# Altium PCB HardwareControllerPCB.PcbDoc (part 1 of 2)
Units mm, origin at the board's own origin, x right, y up, seen from the top; angles counter-clockwise.
Board outline 123.75 x 111.85 mm, 4 copper layers (Top Layer, Layer 1, Layer 2, Bottom Layer), stack 1.491 mm thick; 128 components, 110 nets, 624 pads, 241 vias.
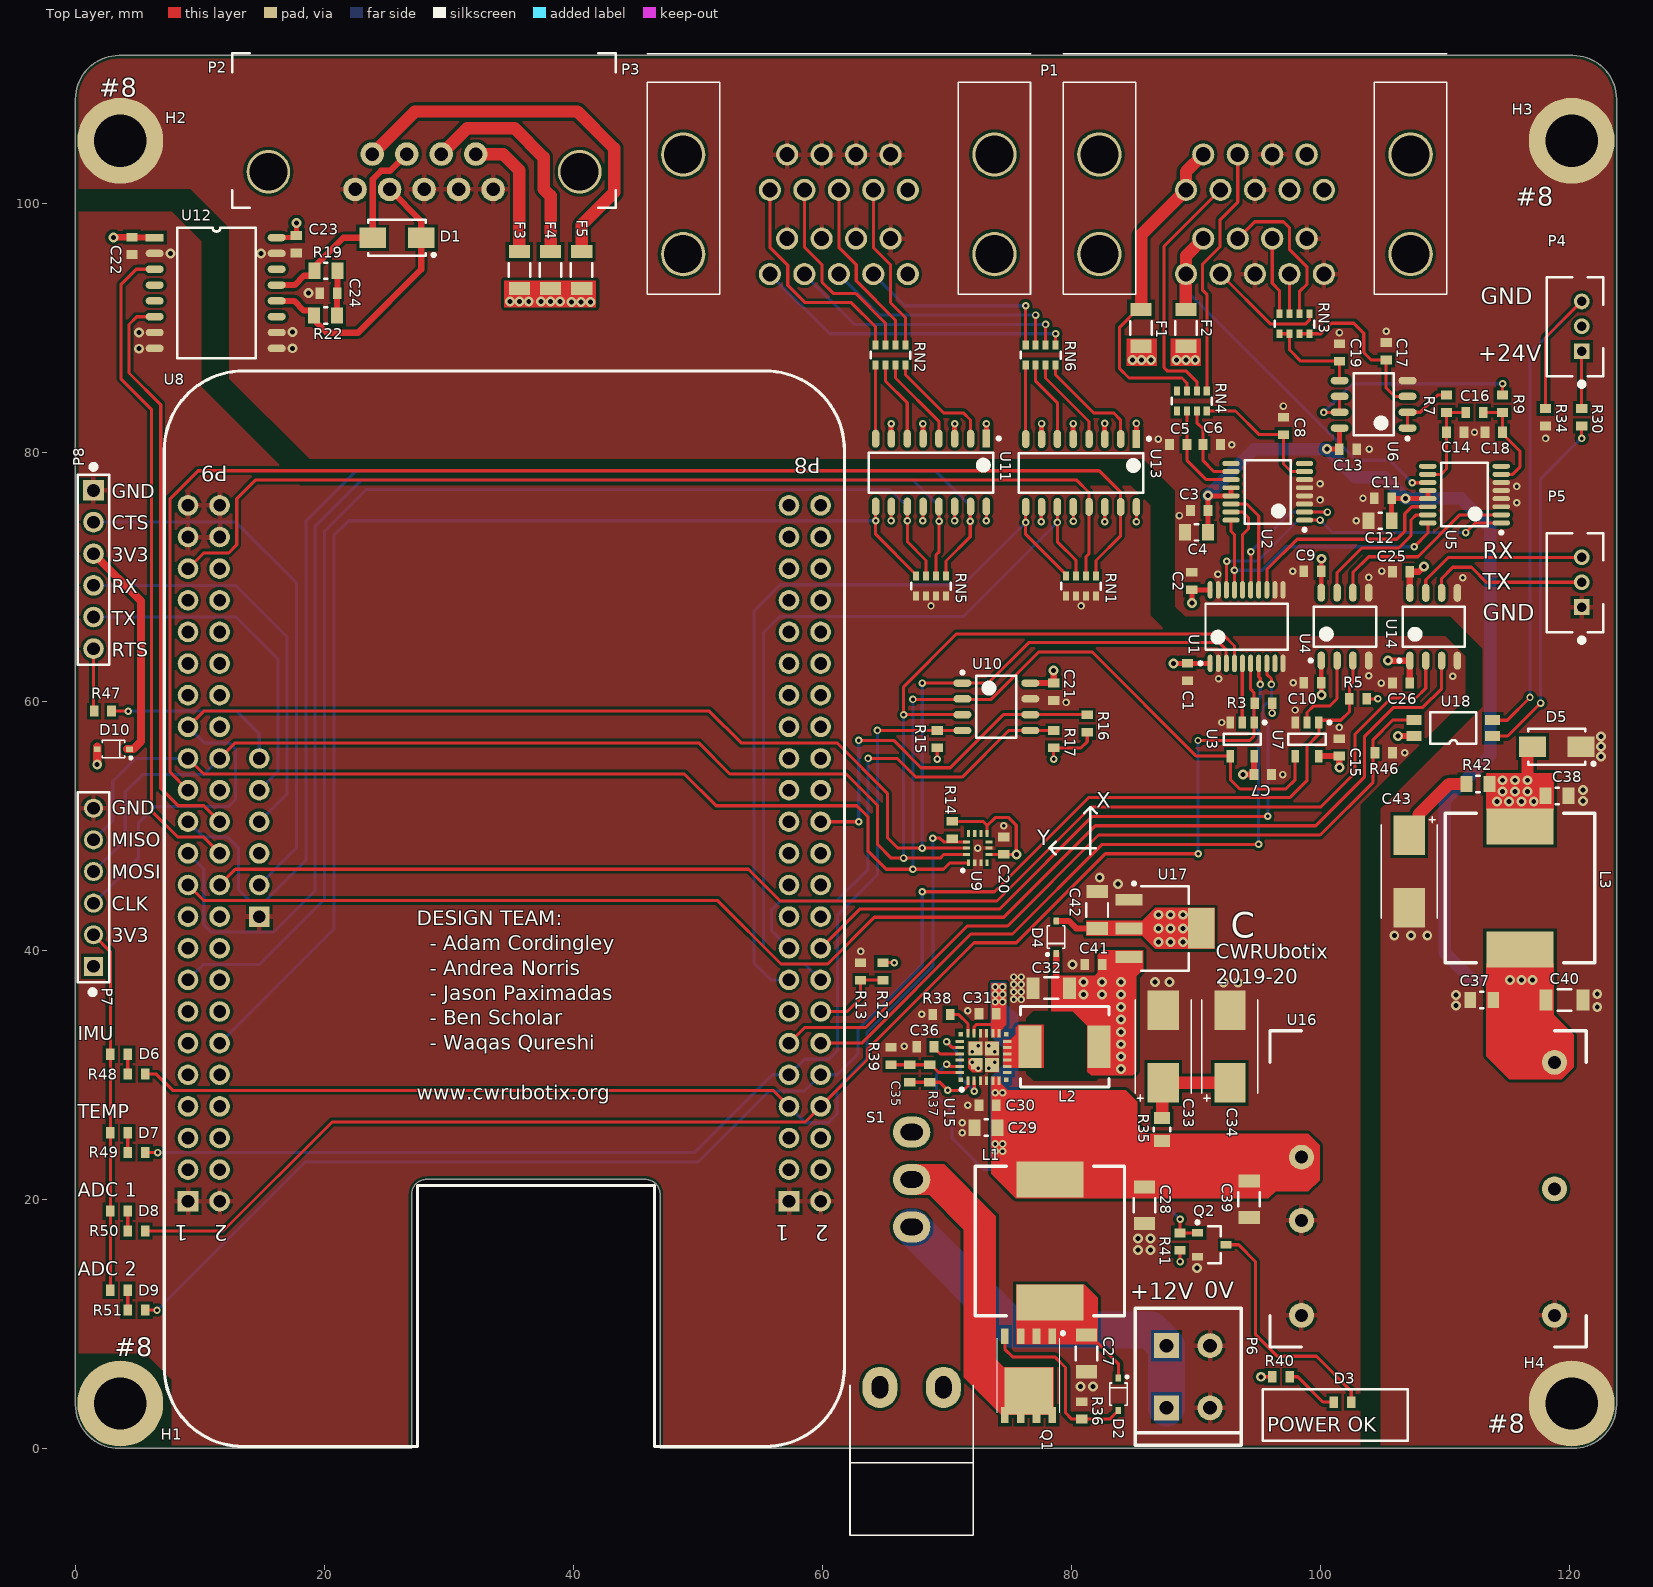
[diagram p0: Top Layer view]
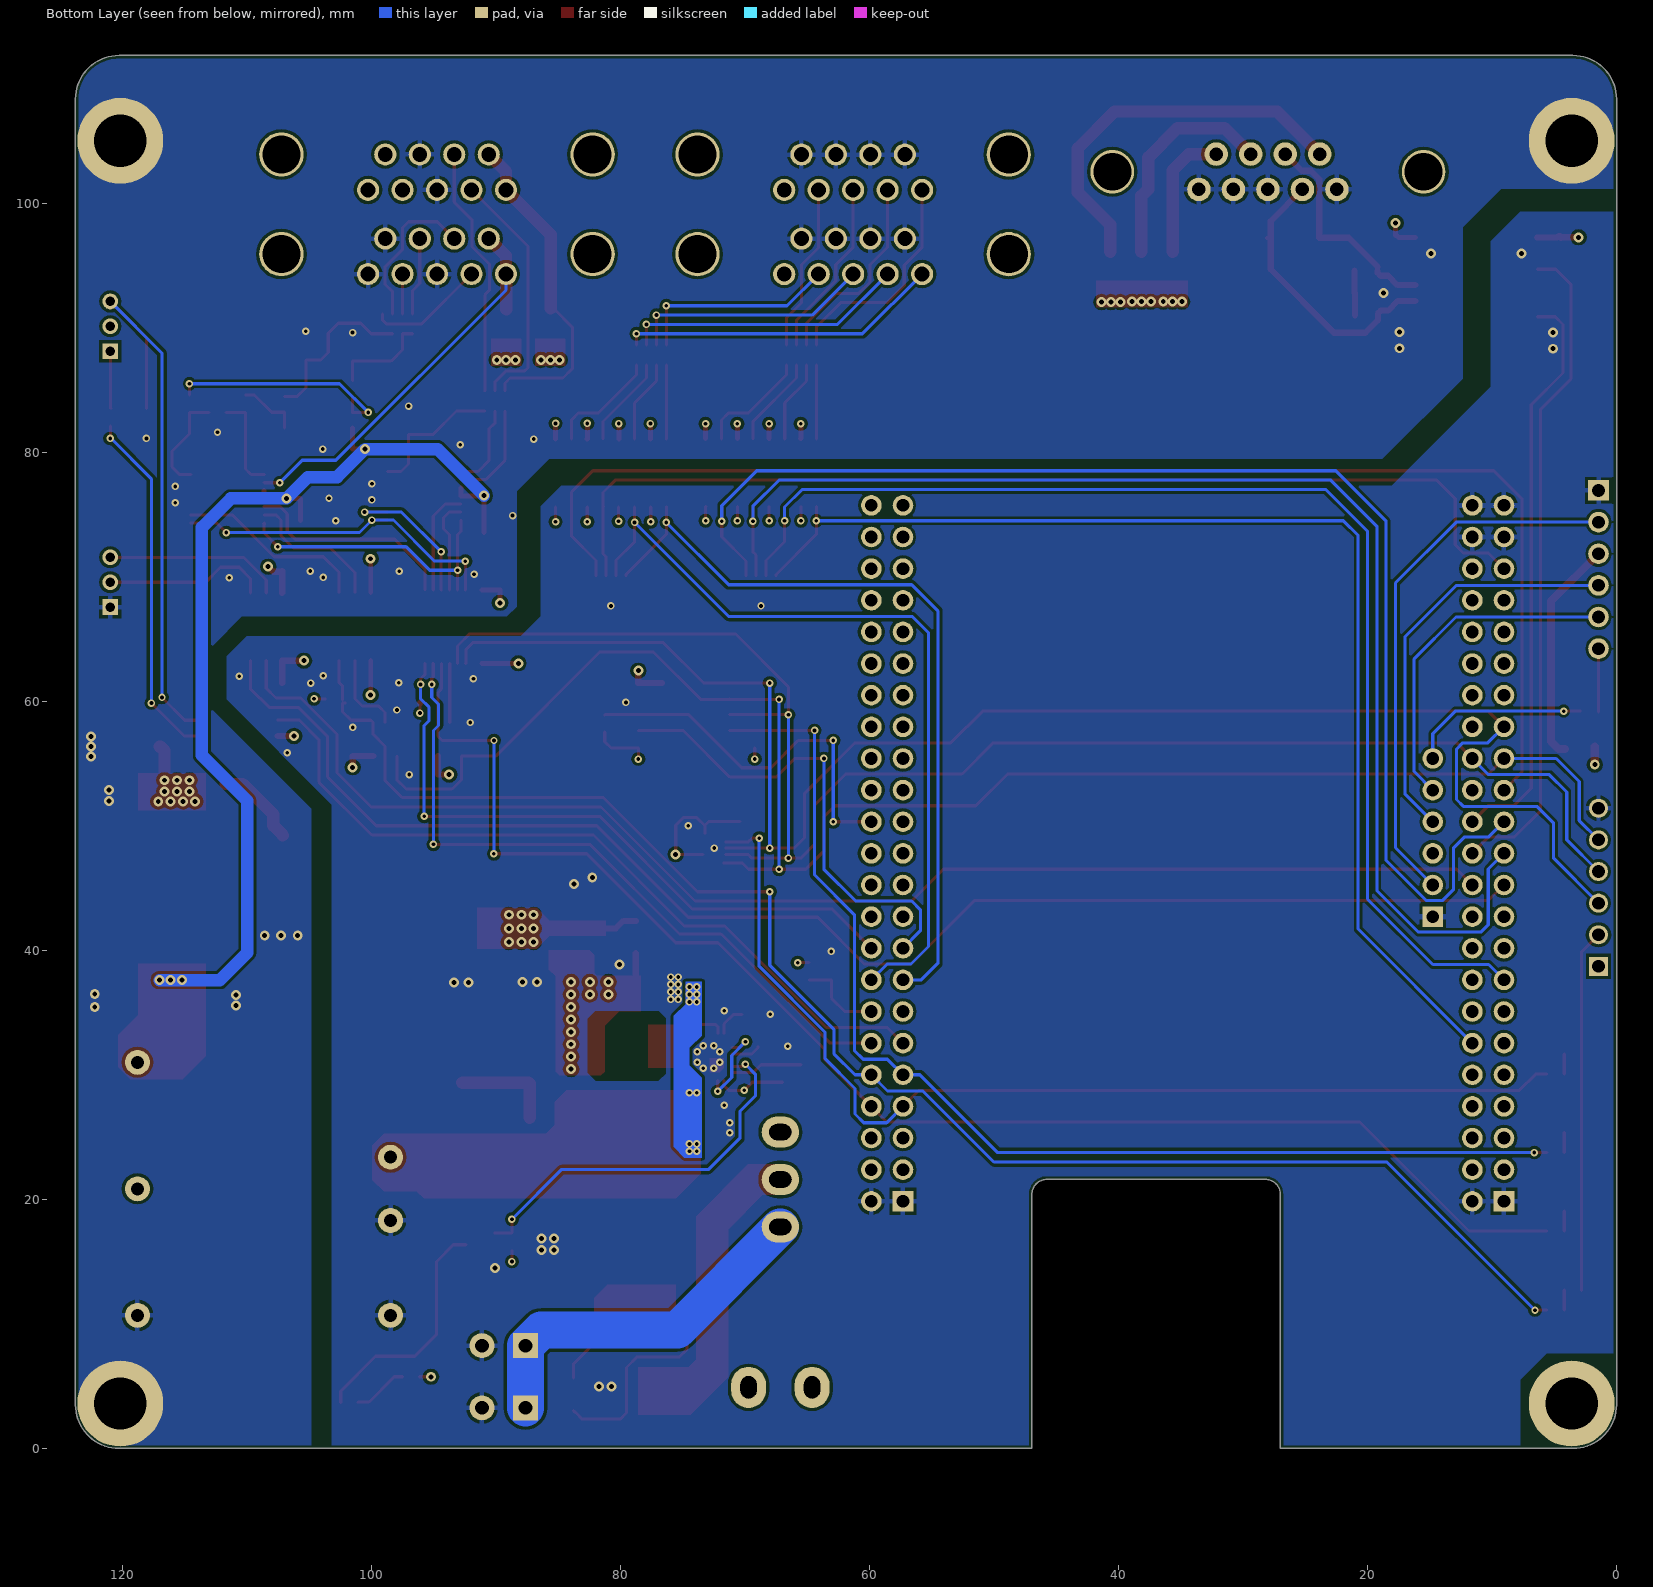
[diagram p1: Bottom Layer view, seen from below]
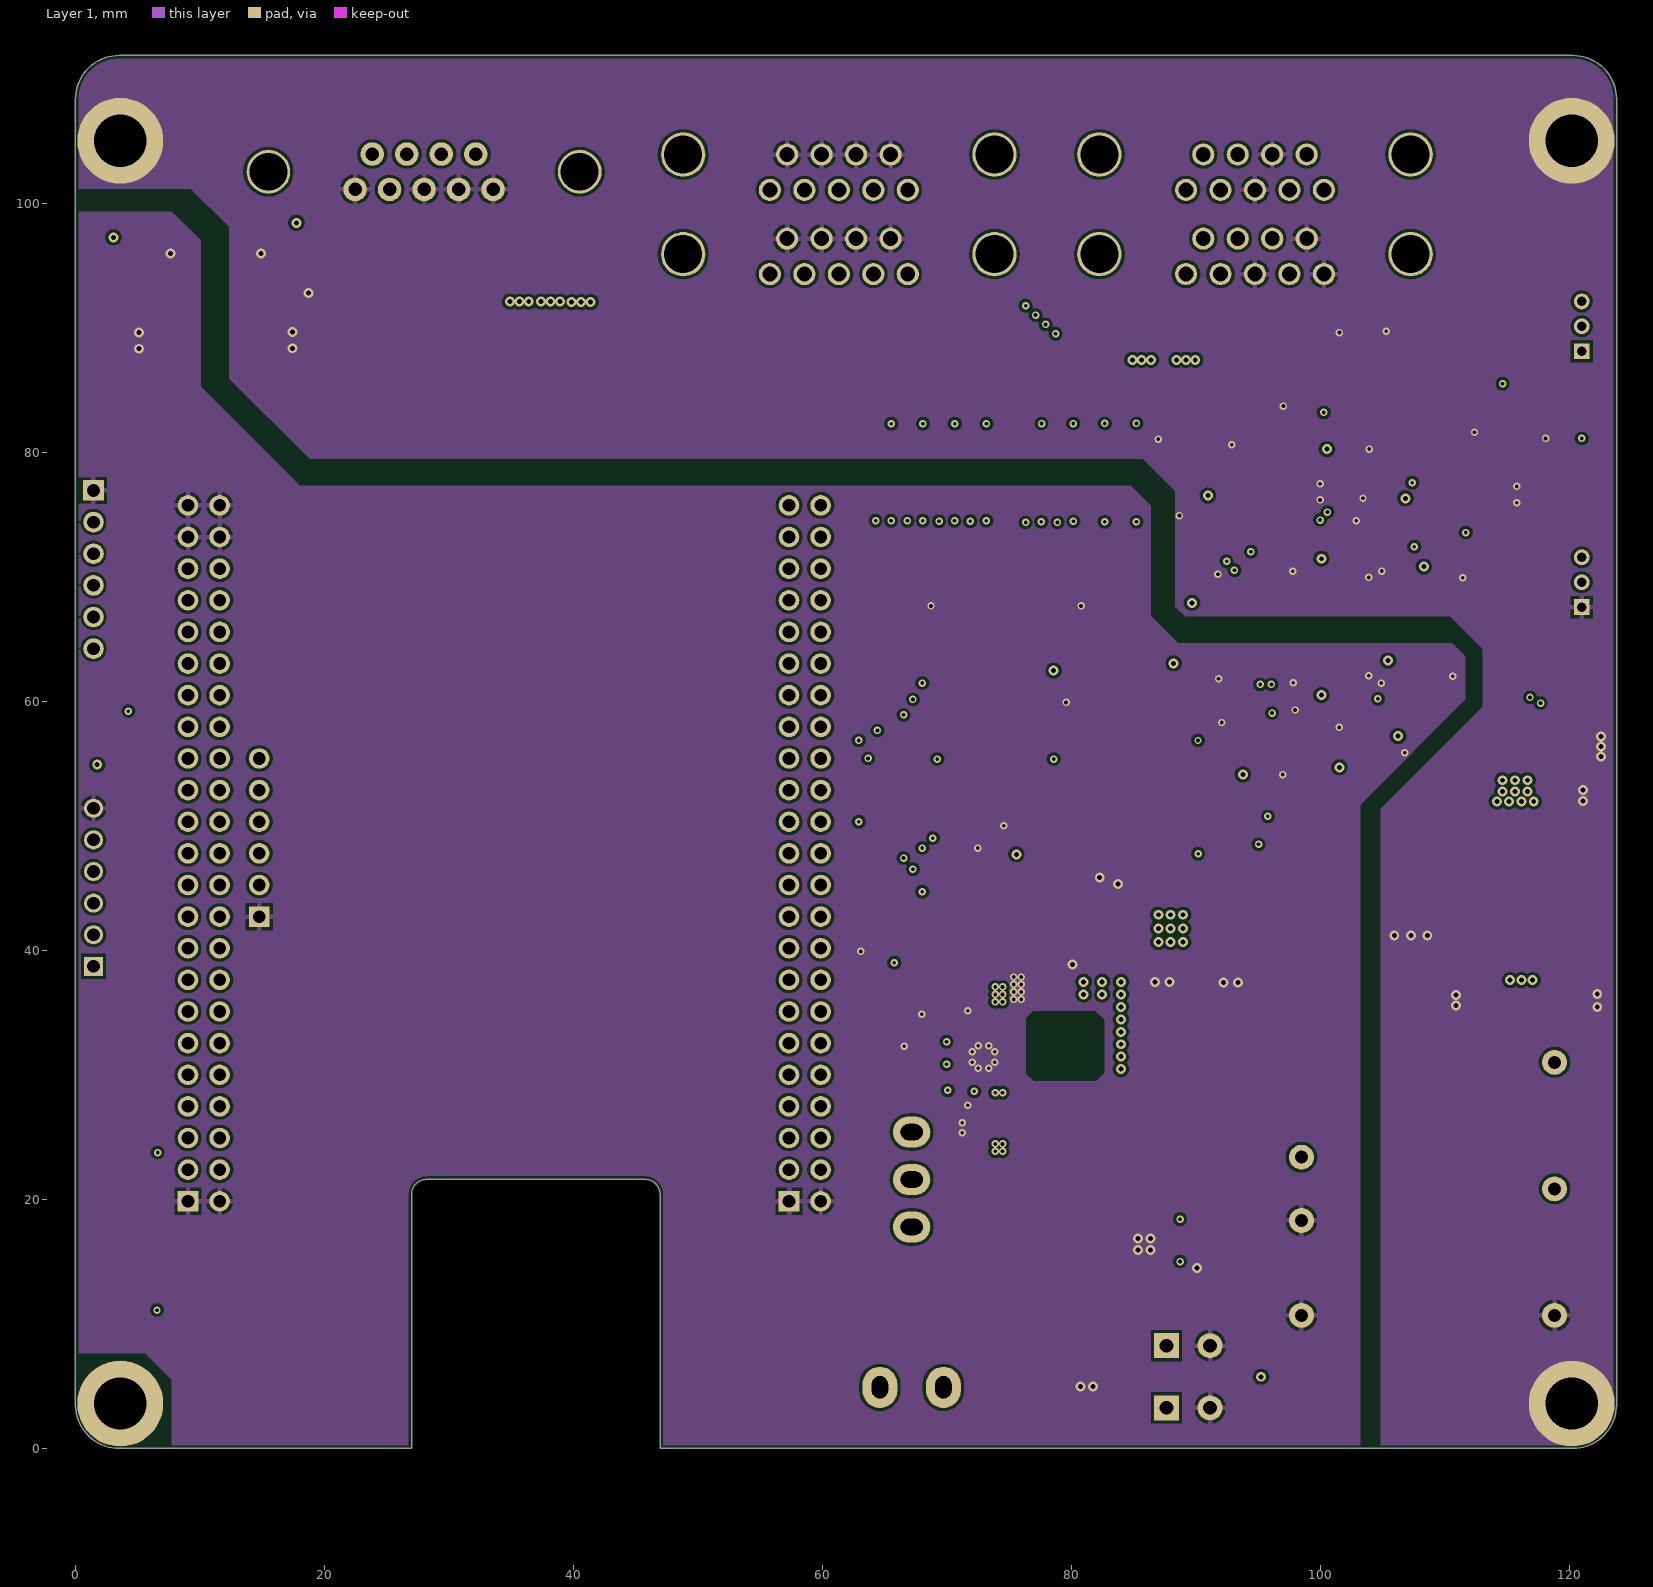
[diagram p2: Layer 1]
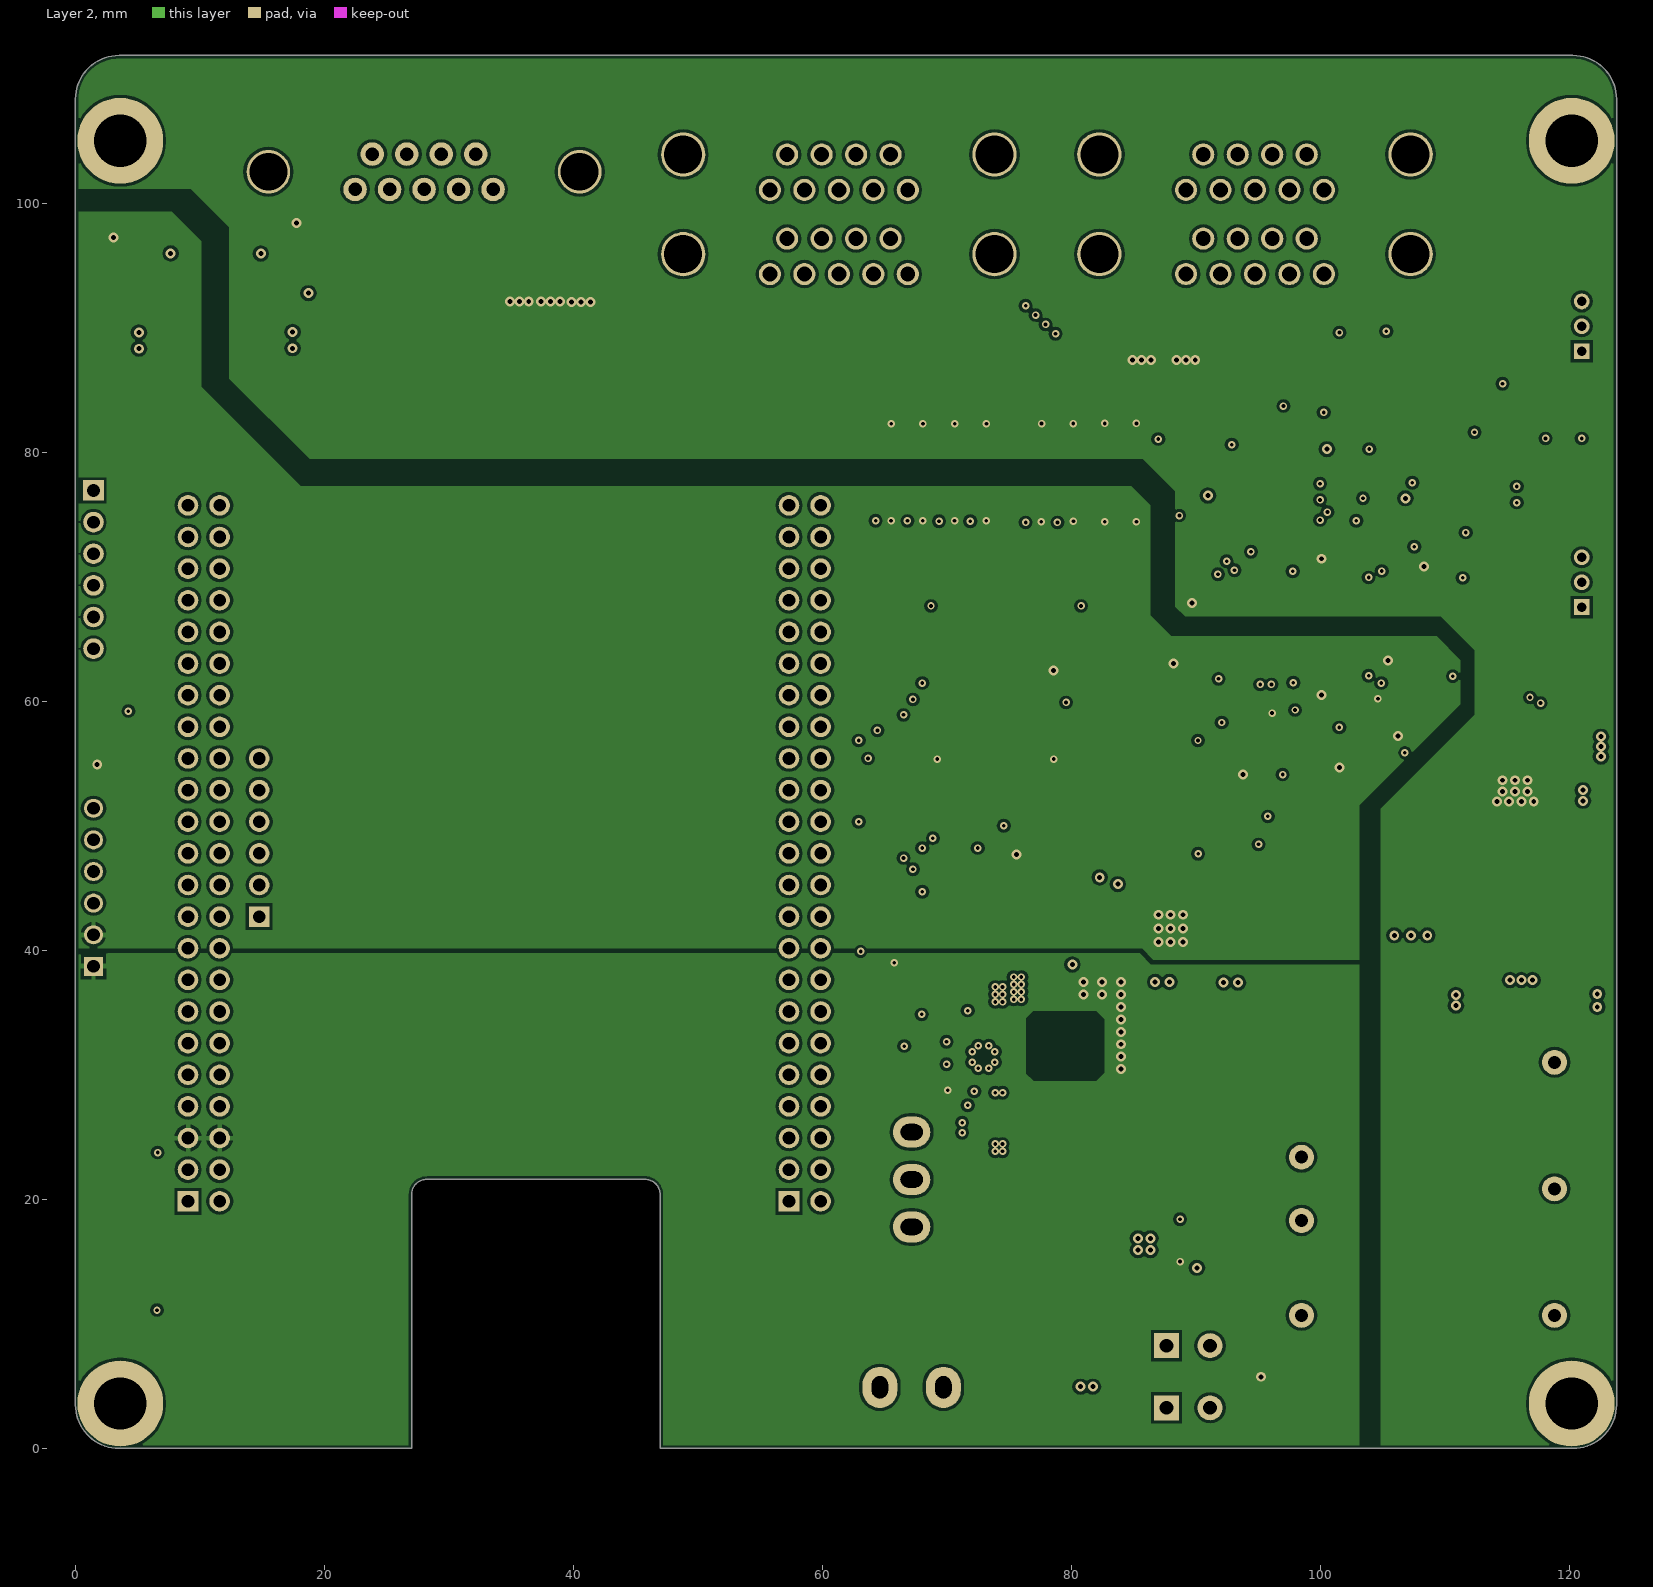
[diagram p3: Layer 2]

## Layer stack, top to bottom
Top Solder: solder mask 0.0102, Solder Resist, Dk 3.5
Top Layer: signal copper 0.0356
Dielectric 2: prepreg 0.11, PP-006, Dk 4.29
Layer 1: signal copper 0.035
Dielectric 1: dielectric 1.13, FR-4, Dk 3.96
Layer 2: signal copper 0.035
Dielectric 3: prepreg 0.11, PP-006, Dk 4.29
Bottom Layer: signal copper 0.0356
Bottom Solder: solder mask 0.0102, Solder Resist, Dk 3.5

## Board outline
3.5,0 cw(c3.5,3.5) 0,3.5 0,108.35 cw(c3.5,108.35) 3.5,111.85 120.25,111.85 cw(c120.25,108.35) 123.75,108.35 123.75,108.362 123.75,3.5 cw(c120.25,3.5) 120.25,0 46.95,0 46.95,20.4 ccw(c45.75,20.4) 45.75,21.6 28.2,21.6 ccw(c28.2,20.4) 27,20.4 27,0

## Design rules (kind name [scope] priority, off if disabled: settings)
BoardOutlineClearance [All] p1: gap=0.254 ignorepadtopadclearanceinfootprint=FALSE except(0: Arc-SplitContinuation Track-SplitContinuation SMDPad-SplitContinuation THPad-SplitContinuation Via-SplitContinuation Fill-SplitContinuation Poly-SplitContinuation Region-SplitContinuation Text-SplitContinuation)
Clearance [All] p1: gap=0.24 ignorepadtopadclearanceinfootprint=FALSE except(0: Arc-Hole Track-Hole SMDPad-Hole THPad-Hole Via-Hole Fill-Hole Poly-Hole Region-Hole Text-Hole; 0.15: Arc-Arc Arc-Track Arc-SMDPad Arc-THPad Arc-Via Track-Track Track-SMDPad Track-THPad Track-Via SMDPad-SMDPad SMDPad-THPad SMDPad-Via THPad-THPad THPad-Via Via-Via; 0.254: Arc-Text Track-Text SMDPad-Text THPad-Text Via-Text Fill-Text Poly-Text Region-Text Text-Text)
Height [All] p1: minheight=0 maxheight=500 prefheight=12.7
PolygonConnect PolygonConnect_MountingHole [HasFootprint('#8-32_SOCKET_HEAD')] p1: connectstyle=Direct reliefconductorwidth=0.254 reliefentries=4 polygonreliefangle="90 Angle" airgapwidth=0.254
PolygonConnect [All] p2: thpad.connectstyle=Relief thpad.reliefconductorwidth=0.4 thpad.reliefentries=4 thpad.polygonreliefangle="90 Angle" thpad.airgapwidth=0.254 smdpad.connectstyle=Direct smdpad.reliefconductorwidth=0.254 smdpad.reliefentries=4 smdpad.polygonreliefangle="90 Angle" smdpad.airgapwidth=0.254 via.connectstyle=Direct via.reliefconductorwidth=0.254 via.reliefentries=4 via.polygonreliefangle="90 Angle" via.airgapwidth=0.254
RoutingVias [All] p1: holewidth=0.3 width=0.6 viastyle="Through Hole" minholewidth=0.15 minwidth=0.6 maxholewidth=1 maxwidth=10
SolderMaskExpansion [All] p1: expansion=0.102
Width [All] p1: maxlimit=500 minlimit=0.15 preferedwidth=0.25 minimp=50.000000 maximp=50.000000 favimp=50.000000
29 further rules are at their usual default settings.

## Classes and differential pairs
component class power_SCH1: C27 C28 C29 C30 C31 C32 C33 C34 C35 C36 C37 C38 C39 C40 C41 C42 C43 D2 D3 D4 D5 H1 H2 H3 H4 L1 L2 L3 P6 Q1 Q2 R35 R36 R37 R38 R39 R40 R41 R42 S1 U15 U16 U17
component class IO_SCH3: C22 C23 C24 C25 C26 D1 F3 F4 F5 P2 P3 P4 P5 R19 R22 R30 R34 R46 RN1 RN2 RN5 RN6 U11 U12 U13 U14 U18
component class BBB_SCH2: C20 C21 D6 D7 D8 D9 D10 P7 P8 R12 R13 R14 R15 R16 R17 R47 R48 R49 R50 R51 U8 U9 U10
component class Analog_SCH4: C1 C2 C3 C4 C5 C6 C7 C8 C9 C10 C11 C12 C13 C14 C15 C16 C17 C18 C19 F1 F2 P1 R3 R5 R7 R9 RN3 RN4 U1 U2 U3 U4 U5 U6 U7
